# Altium PCB board.PcbDoc (part 2 of 2)
Units mm, origin at the board's own origin, x right, y up, seen from the top; angles counter-clockwise.
Board outline 41.15 x 167 mm, 2 copper layers (Top Layer, Bottom Layer), stack 1.66 mm thick; 155 components, 89 nets, 438 pads, 210 vias.
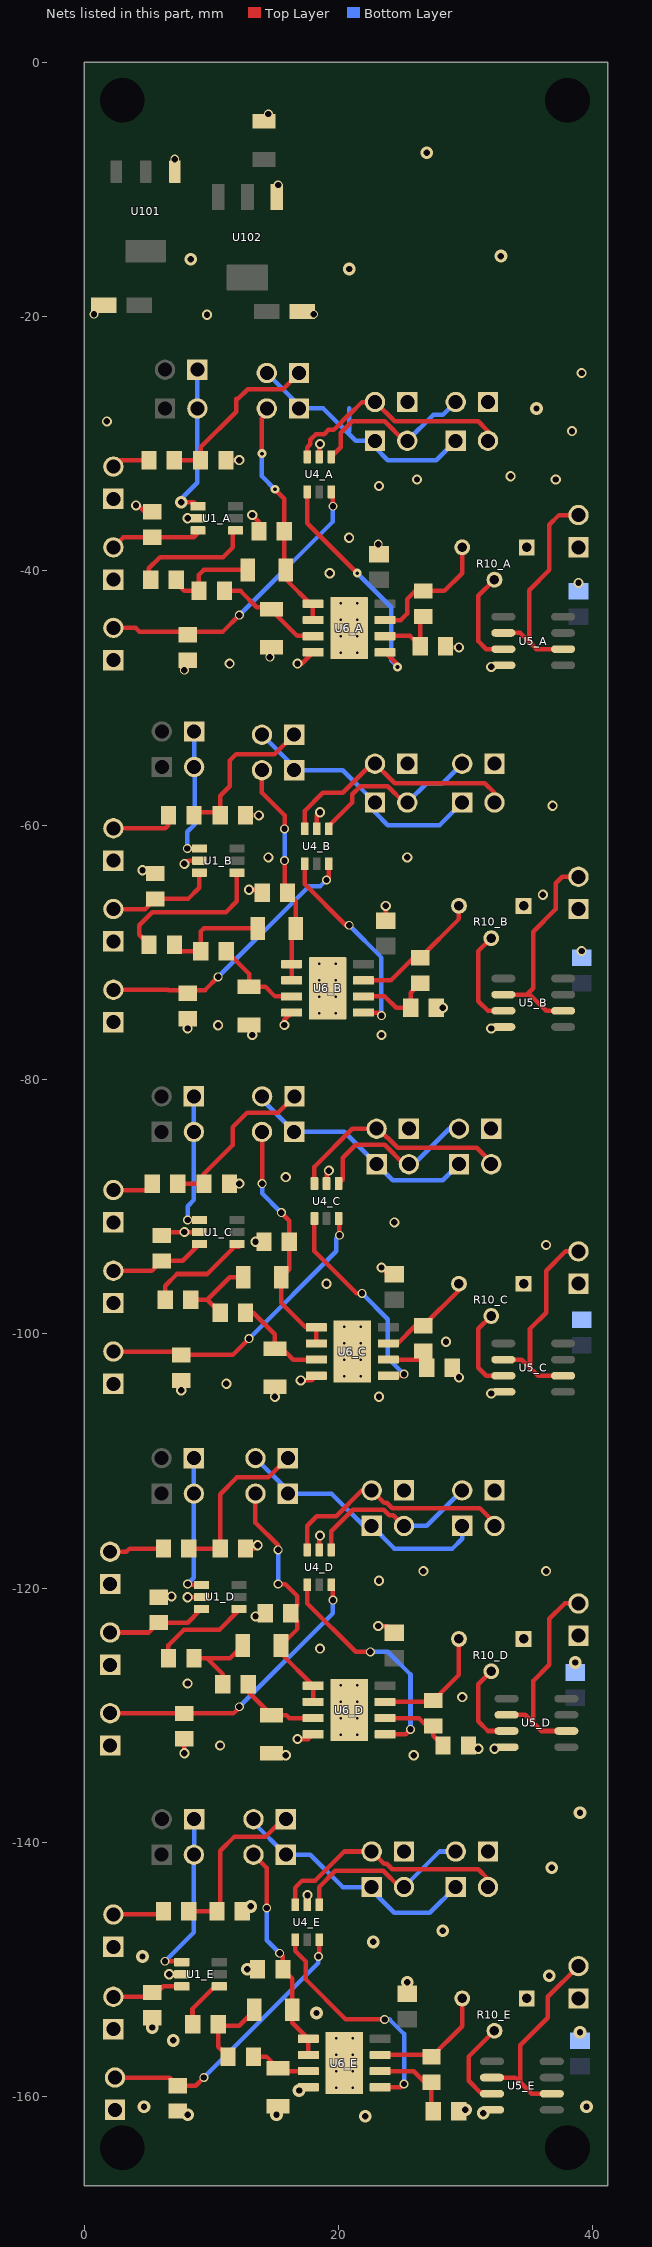
[diagram p2: the nets of this part, all layers, seen from the top]

## Via types
v1: diameter 0.8, hole 0.5, Top Layer to Bottom Layer, 76 vias
v2: diameter 0.7, hole 0.5, Top Layer to Bottom Layer, 38 vias
v3: diameter 1, hole 0.5, Top Layer to Bottom Layer, 28 vias
v4: diameter 1.27, hole 0.711, Top Layer to Bottom Layer, 24 vias
v5: diameter 0.5, hole 0.2, Top Layer to Bottom Layer, 20 vias
v6: diameter 0.5, hole 0.2, Top Layer to Bottom Layer, tented both sides, 20 vias
v7: diameter 0.7, hole 0.3, Top Layer to Bottom Layer, 4 vias

## Nets (pads, with @x,y where several pads share a name; then routed paths per layer and width w, separated by ;. In a path a pad name is that pad's centre, name@x,y a point inside that pad or via, vN(x,y) a via of type N, cw(c..) or ccw(c..) an arc to the next point about the centre after c; other vN are vias at no path point) (continued)
GND: C2_A.1 C2_B.1 C2_C.1 C2_D.1 C2_E.1 C3_A.1 C3_B.1 C3_C.1 C3_D.1 C3_E.1 C4.1 C5.2 C6.2 C7_A.1 C7_B.1 C7_C.1 C7_D.1 C7_E.1 J1_A.1 J1_B.1 J1_C.1 J1_D.1 J1_E.1 J8_A.1 J8_B.1 J8_C.1 J8_D.1 J8_E.1 J_A1.1 J_A2.1 J_A3.1 J_A4.1 J_A5.1 J_B1.1 J_B2.1 J_B3.1 J_B4.1 J_B5.1 J_C1.1 J_C2.1 J_C3.1 J_C4.1 J_C5.1 J_D1.1 J_D2.1 J_D3.1 J_D4.1 J_D5.1 pad.0@3,-3 pad.0@38,-3 R1_A.1 R1_B.1 R1_C.1 R1_D.1 R1_E.1 R2_A.1 R2_B.1 R2_C.1 R2_D.1 R2_E.1 R5_A.1 R5_B.1 R5_C.1 R5_D.1 R5_E.1 R8_A.2 R8_B.2 R8_C.2 R8_D.2 R8_E.2 R9_A.1 R9_B.1 R9_C.1 R9_D.1 R9_E.1 R10_A.1 R10_B.1 R10_C.1 R10_D.1 R10_E.1 U1_A.2 U1_B.2 U1_C.2 U1_D.2 U1_E.2 U4_A.2 U4_B.2 U4_C.2 U4_D.2 U4_E.2 U5_A.4 U5_B.4 U5_C.4 U5_D.4 U5_E.4 U6_A.4 U6_A.9@20.828,-44.498 U6_B.4 U6_B.9@19.131,-72.834 U6_C.4 U6_C.9@21.082,-101.394 U6_D.4 U6_D.9@20.828,-129.588 U6_E.4 U6_E.9@20.447,-157.353 U101.1 U102.1 | length 42.3
  Top Layer w0.356: v2(0.762,-19.812) 0.762,-19.86 C6.2@1.524,-19.098 ; v1(4.064,-34.846) 4.252,-34.846 4.76,-35.354 R1_A.1@5.334,-35.354 ; v1(4.572,-63.548) 5.334,-63.548 R1_B.1@5.588,-63.802 ; R1_D.1@5.842,-120.714 6.287,-120.269 6.668,-120.65 v1(6.858,-120.65) ; R1_C.1@6.096,-92.266 6.366,-91.996 v1(7.874,-91.996) U1_C.2@9.052,-91.996 ; v1(6.68,-150.368) U1_E.2@7.669,-150.368 ; v2(7.112,-7.62) 7.112,-8.593 U101.1@7.126,-8.607 ; R8_A.2@7.62,-47.022 7.62,-47.546 v2(7.874,-47.8) ; v1(7.874,-132.993) R8_D.2@7.874,-131.858 ; v1(7.874,-63.04) 8.128,-62.786 U1_B.2@9.052,-62.786 ; v1(8.128,-120.714) 9.193,-120.714 U1_D.2@9.209,-120.698 ; v1(8.128,-75.994) R8_B.2@8.128,-75.216 ; v1(8.128,-35.862) U1_A.2@9.139,-35.862 ; R9_A.1@11.144,-31.29 v1(12.192,-31.29) ; R9_D.1@12.684,-116.888 13.373,-116.888 v1(13.627,-116.634) ; R9_B.1@12.684,-59.23 v1(13.732,-59.23) ; C2_B.1@12.954,-75.716 13.208,-75.97 v1(13.208,-76.502) ; v1(12.954,-65.072) 13.732,-65.072 R2_B.1@13.986,-65.326 ; v1(13.208,-35.608) 13.732,-36.132 R2_A.1@13.732,-36.878 ; v1(13.462,-92.758) R2_C.1@14.127,-92.758 ; v2(14.589,-46.784) 14.589,-46.157 C2_A.1@14.732,-46.014 ; v1(14.986,-104.95) C2_C.1@14.986,-104.164 ; v1(15.732,-75.716) 15.732,-75.313 U6_B.4@16.306,-74.739 ; v1(16.764,-131.874) 17.622,-131.874 U6_D.4@18.003,-131.493 ; v1(16.764,-47.292) 17.114,-47.292 U6_A.4@18.003,-46.403 ; v1(17.018,-103.664) 17.892,-103.664 U6_C.4@18.257,-103.299 ; C5.2@17.145,-19.606 17.351,-19.812 v2(18.034,-19.812) ; U4_B.2@18.288,-60.29 18.288,-59.23 v1(18.542,-58.976) ; U4_D.2@18.481,-116.998 18.481,-115.933 v1(18.542,-115.872) ; U4_A.2@18.481,-31.036 18.481,-30.081 v1(18.542,-30.02) ; U4_C.2@19.05,-88.186 19.05,-87.358 v1(19.238,-87.17) ; v1(23.114,-122.984) 23.86,-122.984 C3_D.1@24.384,-123.508 ; v2(23.114,-37.894) 23.178,-37.958 C3_A.1@23.178,-38.688 ; v1(23.368,-94.79) 23.892,-95.314 C3_C.1@24.384,-95.314 ; C3_B.1@23.703,-67.5 v1(23.703,-66.342) ; R5_A.1@28.416,-45.914 28.516,-46.014 v1(29.464,-46.014)
  other v1: 17.551,-144.145 15.845,-133.144 25.908,-133.144 30.988,-132.636 32.258,-132.636 10.684,-132.382 29.718,-128.572 8.128,-127.508 18.542,-124.762 13.462,-122.222 23.178,-119.428 26.67,-118.666 36.322,-118.666 23.178,-104.95 32.004,-104.696 7.62,-104.442 11.176,-103.934 29.464,-103.426 28.448,-100.632 19.05,-96.06 36.322,-93.012 24.384,-91.234 12.192,-88.186 15.845,-87.678 23.368,-76.502 32.004,-75.994 10.527,-75.74 28.194,-74.358 39.116,-69.898 36.068,-65.47 14.478,-62.532 25.4,-62.532 36.83,-58.468 32.004,-47.546 11.43,-47.292 38.862,-40.942 19.304,-40.18 20.828,-37.386 23.178,-33.322 26.162,-32.814 37.084,-32.814 33.528,-32.56 38.354,-29.004 1.778,-28.242 39.116,-24.432 9.652,-19.86
  other v2: 15.24,-9.652 14.478,-4.064
  other v3: 22.098,-161.544 8.128,-161.417 15.113,-161.417 31.369,-161.29 29.972,-161.036 4.699,-160.782 39.497,-160.782 16.891,-159.512 6.985,-155.575 38.989,-154.94 5.35,-154.559 18.257,-153.416 25.4,-151.003 36.576,-150.495 12.827,-149.987 4.572,-148.971 22.733,-147.828 28.194,-146.939 13.081,-145.034 36.767,-141.986 38.989,-137.668 38.608,-125.857 35.56,-27.226 20.828,-16.256 8.382,-15.494 32.766,-15.24 26.924,-7.112
  other v5: 19.797,-158.003 21.097,-158.003 19.797,-156.703 21.097,-156.703 20.178,-130.238 21.478,-130.238 20.178,-128.938 21.478,-128.938 20.432,-102.044 21.732,-102.044 20.432,-100.744 21.732,-100.744 18.481,-73.484 19.781,-73.484 18.481,-72.184 19.781,-72.184 20.178,-45.148 21.478,-45.148 20.178,-43.848 21.478,-43.848
  other v6: 19.797,-159.303 21.097,-159.303 19.797,-155.403 21.097,-155.403 20.178,-131.538 21.478,-131.538 20.178,-127.638 21.478,-127.638 20.432,-103.344 21.732,-103.344 20.432,-99.444 21.732,-99.444 18.481,-74.784 19.781,-74.784 18.481,-70.884 19.781,-70.884 20.178,-46.448 21.478,-46.448 20.178,-42.548 21.478,-42.548
NetC1_A_1: C1_A.1 R3_A.1 R4_A.2 | length 7.5
  Top Layer w0.356: R3_A.1@7.191,-40.91 7.858,-41.577 R4_A.2@9.017,-41.577 9.017,-40.307 9.398,-39.926 C1_A.1@12.945,-39.926
NetC1_A_2: C1_A.2 J4_A.2 R2_A.2 U6_A.1 U6_A.2 | length 18.6
  Top Layer w0.356: v7(13.97,-30.782) 13.97,-27.988 14.351,-27.607 J4_A.2@14.351,-27.226 ; v7(14.986,-33.576) 15.732,-34.322 R2_A.2@15.732,-36.878 15.732,-39.913 15.745,-39.926 15.745,-40.558 U6_A.1@17.97,-42.783 ; U6_A.2@17.97,-43.847 U6_A.1@17.97,-42.783 ; U6_A.1@17.97,-42.577 U6_A.1@17.97,-42.783
  Bottom Layer w0.356: v7(13.97,-30.782) 13.97,-32.56 v7(14.986,-33.576)
NetC1_B_1: C1_B.1 R3_B.1 R4_B.2 | length 8.4
  Top Layer w0.356: R3_B.1@7.096,-69.39 7.604,-69.898 R4_B.2@9.16,-69.898 9.16,-68.358 9.398,-68.12 C1_B.1@13.627,-68.12
NetC1_B_2: C1_B.2 J4_B.2 R2_B.2 U6_B.1 U6_B.2 | length 17.8
  Top Layer w0.356: J4_B.2@13.97,-55.674 13.97,-57.452 15.748,-59.23 v2(15.748,-60.29) ; v2(15.748,-62.786) 15.748,-65.088 R2_B.2@15.986,-65.326 16.627,-65.967 C1_B.2@16.627,-68.12 16.306,-68.441 U6_B.1@16.306,-70.929 U6_B.2@16.306,-72.199
  Bottom Layer w0.356: v2(15.748,-62.786) v2(15.748,-60.29)
NetC1_C_1: C1_C.1 R3_C.1 R4_C.2 | length 6.3
  Top Layer w0.356: R3_C.1@8.366,-97.33 9.668,-97.33 ; R4_C.2@10.684,-98.346 9.668,-97.33 ; C1_C.1@12.486,-95.552 11.446,-95.552 9.668,-97.33
NetC1_C_2: C1_C.2 J4_C.2 R2_C.2 U6_C.1 U6_C.2 | length 19.4
  Top Layer w0.356: J4_C.2@13.97,-84.122 13.986,-84.138 v2(13.986,-88.186) ; v2(15.494,-90.472) 16.127,-91.105 R2_C.2@16.127,-92.758 16.127,-94.911 C1_C.2@15.486,-95.552 15.486,-97.576 17.399,-99.489 U6_C.1@18.257,-99.489 U6_C.2@18.257,-100.759
  Bottom Layer w0.356: v2(13.986,-88.186) 13.986,-88.964 v2(15.494,-90.472)
NetC1_D_1: C1_D.1 R3_D.1 R4_D.2 | length 6.8
  Top Layer w0.356: R3_D.1@8.62,-125.524 9.652,-125.524 ; R4_D.2@10.889,-127.556 10.889,-126.761 9.652,-125.524 ; C1_D.1@12.47,-124.508 11.454,-125.524 9.652,-125.524
NetC1_D_2: C1_D.2 J4_D.2 R2_D.2 U6_D.1 U6_D.2 | length 20.2
  Top Layer w0.356: J4_D.2@13.462,-112.57 13.462,-114.856 15.24,-116.634 v2(15.24,-116.998) ; v2(15.24,-119.682) 15.798,-119.682 16.764,-120.648 16.764,-121.331 16.127,-121.968 16.764,-122.605 16.764,-123.214 C1_D.2@15.47,-124.508 15.47,-125.15 U6_D.1@18.003,-127.683 U6_D.2@18.003,-128.953
  Bottom Layer w0.356: v2(15.24,-119.682) v2(15.24,-116.998)
NetC1_E_1: C1_E.1 R3_E.1 R4_E.2 | length 6
  Top Layer w0.356: R3_E.1@10.525,-154.305 10.525,-156.067 R4_E.2@11.303,-156.845 ; 11.16,-154.432 12.192,-154.432 C1_E.1@13.716,-152.908
NetC1_E_2: C1_E.2 J4_E.2 R2_E.2 U6_E.1 U6_E.2 | length 17.5
  Top Layer w0.356: J4_E.2@13.305,-140.97 14.345,-142.01 v2(14.345,-145.161) ; v2(15.367,-148.717) 15.621,-148.971 R2_E.2@15.621,-149.987 16.359,-150.725 C1_E.2@16.359,-153.162 16.359,-154.185 U6_E.1@17.622,-155.448 U6_E.2@17.622,-156.718
  Bottom Layer w0.356: v2(14.345,-145.161) 14.345,-147.695 v2(15.367,-148.717)
NetC2_A_2: C2_A.2 R4_A.1 U6_A.3 | length 9.7
  Top Layer w0.356: R4_A.1@11.017,-41.577 12.287,-41.577 13.573,-42.863 14.732,-42.863 C2_A.2@15.367,-43.498 ; C2_A.2@14.732,-43.114 16.735,-45.117 U6_A.3@18.478,-45.117
NetC2_B_2: C2_B.2 R4_B.1 U6_B.3 | length 7.2
  Top Layer w0.356: R4_B.1@11.16,-69.898 12.954,-71.692 C2_B.2@12.954,-72.716 14.248,-72.716 15.001,-73.469 U6_B.3@16.306,-73.469
NetC2_C_2: C2_C.2 R4_C.1 U6_C.3 | length 7.9
  Top Layer w0.356: R4_C.1@12.684,-98.346 13.285,-98.346 14.986,-100.047 C2_C.2@14.986,-101.164 14.986,-101.418 15.822,-101.418 16.433,-102.029 U6_C.3@18.257,-102.029
NetC2_D_2: C2_D.2 R4_D.1 U6_D.3 | length 6.6
  Top Layer w0.356: R4_D.1@12.889,-127.556 12.889,-128.15 C2_D.2@14.732,-129.993 15.897,-129.993 16.127,-130.223 U6_D.3@18.003,-130.223
NetC2_E_2: C2_E.2 R4_E.1 U6_E.3 | length 4.8
  Top Layer w0.356: R4_E.1@13.303,-156.845 14.327,-156.845 C2_E.2@15.24,-157.758 15.47,-157.988 U6_E.3@17.622,-157.988
NetJ1_A_2: J1_A.2 J7_A.2 U4_A.3 | length 18.4
  Top Layer w0.356: U4_A.3@17.531,-31.036 17.526,-31.031 17.526,-30.274 17.761,-30.039 17.761,-29.697 18.219,-29.239 18.865,-29.239 19.19,-28.915 19.619,-28.915 20.851,-27.683 20.874,-27.683 21.839,-26.718 J1_A.2@22.86,-26.718 22.888,-26.718 24.412,-28.242 30.988,-28.242 31.75,-29.004 J7_A.2@31.75,-29.766
NetJ1_B_2: J1_B.2 J7_B.2 U4_B.3 | length 19.6
  Top Layer w0.356: U4_B.3@17.338,-60.29 17.338,-58.879 18.765,-57.452 20.32,-57.452 22.606,-55.166 J1_B.2@22.86,-55.166 23.571,-55.877 23.599,-55.877 24.412,-56.69 31.496,-56.69 32.258,-57.452 J7_B.2@32.258,-58.214
NetJ1_C_2: J1_C.2 J7_C.2 U4_C.3 | length 17.7
  Top Layer w0.356: U4_C.3@18.1,-88.186 18.1,-86.85 21.082,-83.868 J1_C.2@22.987,-83.868 23.114,-83.868 23.825,-84.579 23.853,-84.579 24.652,-85.378 30.875,-85.378 32.004,-86.507 J7_C.2@32.004,-86.662
NetJ1_D_2: J1_D.2 J7_D.2 U4_D.3 | length 19.1
  Top Layer w0.356: U4_D.3@17.531,-116.998 17.531,-115.11 18.293,-114.348 19.812,-114.348 21.844,-112.316 J1_D.2@22.606,-112.316 23.571,-113.281 23.777,-113.281 24.209,-113.713 31.115,-113.713 32.258,-114.856 J7_D.2@32.258,-115.11
NetJ1_E_2: J1_E.2 J7_E.2 U4_E.3 | length 19.2
  Top Layer w0.356: U4_E.3@16.576,-144.907 16.576,-143.571 17.145,-143.002 18.161,-143.002 20.447,-140.716 J1_E.2@22.606,-140.716 23.571,-141.681 23.8,-141.681 24.232,-142.113 30.988,-142.113 31.75,-142.875 J7_E.2@31.75,-143.51
NetJ2_A_1: J2_A.1 J4_A.1 J6_A.2 J7_A.1 | length 20.6
  Bottom Layer w0.356: J6_A.2@14.351,-24.432 16.891,-26.972 J4_A.1@16.891,-27.226 18.796,-27.226 21.336,-29.766 J2_A.1@22.86,-29.766 22.86,-30.274 23.876,-31.29 27.686,-31.29 J7_A.1@29.21,-29.766 ; 20.828,-29.004 20.828,-27.226
NetJ2_A_2: J2_A.2 J8_A.2 U4_A.1 | length 13.5
  Top Layer w0.356: U4_A.1@19.431,-31.036 19.431,-31.021 20.178,-30.274 20.178,-29.146 21.082,-28.242 23.622,-28.242 25.146,-29.766 J2_A.2@25.4,-29.766
  Bottom Layer w0.356: J2_A.2@25.4,-29.766 27.432,-27.734 28.194,-27.734 J8_A.2@29.21,-26.718
NetJ2_B_1: J2_B.1 J4_B.1 J6_B.2 J7_B.1 | length 20
  Bottom Layer w0.356: J6_B.2@13.97,-52.88 16.51,-55.42 J4_B.1@16.51,-55.674 20.32,-55.674 J2_B.1@22.86,-58.214 22.86,-58.976 23.876,-59.992 27.94,-59.992 J7_B.1@29.718,-58.214
NetJ2_B_2: J2_B.2 J8_B.2 U4_B.1 | length 14.2
  Top Layer w0.356: U4_B.1@19.238,-60.29 19.238,-60.058 21.082,-58.214 21.082,-57.579 21.717,-56.944 23.876,-56.944 25.146,-58.214 J2_B.2@25.4,-58.214
  Bottom Layer w0.356: J2_B.2@25.4,-58.214 26.924,-56.69 28.194,-56.69 J8_B.2@29.718,-55.166
NetJ2_C_1: J2_C.1 J4_C.1 J6_C.2 J7_C.1 | length 18.9
  Bottom Layer w0.356: J6_C.2@13.986,-81.328 13.986,-81.598 J4_C.1@16.51,-84.122 20.447,-84.122 J2_C.1@22.987,-86.662 24.257,-87.932 28.194,-87.932 J7_C.1@29.464,-86.662
NetJ2_C_2: J2_C.2 J8_C.2 U4_C.1 | length 13.5
  Top Layer w0.356: U4_C.1@20,-88.186 20.32,-87.866 20.32,-86.154 21.336,-85.138 23.622,-85.138 25.146,-86.662 J2_C.2@25.527,-86.662
  Bottom Layer w0.356: J2_C.2@25.527,-86.662 25.908,-86.662 28.702,-83.868 J8_C.2@29.464,-83.868
NetJ2_D_1: J2_D.1 J4_D.1 J6_D.2 J7_D.1 | length 20.7
  Bottom Layer w0.356: J6_D.2@13.462,-109.776 16.002,-112.316 J4_D.1@16.002,-112.57 19.446,-112.57 21.986,-115.11 J2_D.1@22.606,-115.11 24.384,-116.888 28.956,-116.888 29.718,-116.126 J7_D.1@29.718,-115.11
NetJ2_D_2: J2_D.2 J8_D.2 U4_D.1 | length 14.1
  Top Layer w0.356: U4_D.1@19.431,-116.998 19.431,-115.519 21.11,-113.84 23.546,-113.84 23.978,-114.272 24.308,-114.272 J2_D.2@25.146,-115.11
  Bottom Layer w0.356: J2_D.2@25.146,-115.11 26.924,-115.11 J8_D.2@29.718,-112.316
NetJ2_E_1: J2_E.1 J4_E.1 J6_E.2 J7_E.1 | length 20.1
  Bottom Layer w0.356: J6_E.2@13.305,-138.176 13.305,-138.43 J4_E.1@15.845,-140.97 17.78,-140.97 20.32,-143.51 J2_E.1@22.606,-143.51 22.606,-143.764 24.384,-145.542 27.178,-145.542 J7_E.1@29.21,-143.51
NetJ2_E_2: J2_E.2 J8_E.2 U4_E.1 | length 14.3
  Top Layer w0.356: U4_E.1@18.476,-144.907 18.476,-143.51 19.746,-142.24 23.52,-142.24 24.79,-143.51 J2_E.2@25.146,-143.51
  Bottom Layer w0.356: J2_E.2@25.146,-143.51 27.94,-140.716 J8_E.2@29.21,-140.716
NetJ3_A_2: J3_A.2 J5_A.1 U1_A.1 | length 12.8
  Top Layer w0.356: v3(7.62,-34.592) 8.619,-34.592 U1_A.1@8.939,-34.912
  Bottom Layer w0.356: v3(7.62,-34.592) 7.874,-34.592 7.62,-34.338 8.89,-33.068 J3_A.2@8.89,-27.226 J5_A.1@8.89,-24.178
NetJ3_B_2: J3_B.2 J5_B.1 U1_B.1 | length 10.4
  Top Layer w0.356: v2(8.1,-61.836) U1_B.1@9.052,-61.836
  Bottom Layer w0.356: v2(8.1,-61.836) 8.1,-60.528 8.687,-59.941 8.687,-55.471 J3_B.2@8.636,-55.42 J5_B.1@8.636,-52.626
NetJ3_C_2: J3_C.2 J5_C.1 U1_C.1 | length 10.8
  Top Layer w0.356: v2(8.128,-91.046) U1_C.1@9.052,-91.046
  Bottom Layer w0.356: v2(8.128,-91.046) 8.128,-89.964 8.62,-89.472 J3_C.2@8.62,-84.122 J5_C.1@8.62,-81.328
NetJ3_D_2: J3_D.2 J5_D.1 U1_D.1 | length 11.2
  Top Layer w0.356: v2(8.128,-119.682) 8.194,-119.748 U1_D.1@9.209,-119.748
  Bottom Layer w0.356: v2(8.128,-119.682) 8.62,-119.19 J3_D.2@8.62,-112.57 J5_D.1@8.62,-109.776
NetJ3_E_2: J3_E.2 J5_E.1 U1_E.1 | length 13.5
  Top Layer w0.356: v2(6.35,-149.352) 7.603,-149.352 U1_E.1@7.669,-149.418
  Bottom Layer w0.356: v2(6.35,-149.352) 8.62,-147.082 J3_E.2@8.62,-140.97 8.636,-140.954 J5_E.1@8.636,-138.176
NetJ6_A_1: J6_A.1 R7_A.1 R9_A.2 | length 14.4
  Top Layer w0.356: R7_A.1@7.08,-31.29 R9_A.2@9.144,-31.29 9.144,-30.274 11.938,-27.48 11.938,-26.464 12.083,-26.464 12.845,-25.702 15.621,-25.702 J6_A.1@16.891,-24.432 J6_A.1@16.494,-24.035
NetJ6_B_1: J6_B.1 R7_B.1 R9_B.2 | length 12.6
  Top Layer w0.356: R7_B.1@8.62,-58.976 R9_B.2@10.684,-58.976 ; R9_B.2@10.684,-59.23 R9_B.2@10.684,-58.976 ; J6_B.1@16.51,-52.88 14.986,-54.404 11.938,-54.404 11.43,-54.912 11.43,-56.944 10.684,-57.69 R9_B.2@10.684,-58.976
NetJ6_C_1: J6_C.1 R7_C.1 R9_C.2 | length 13.3
  Top Layer w0.356: R7_C.1@7.35,-88.186 R9_C.2@9.414,-88.186 9.414,-87.424 11.684,-85.154 11.684,-83.741 12.827,-82.598 15.256,-82.598 J6_C.1@16.526,-81.328
NetJ6_D_1: J6_D.1 R7_D.1 R9_D.2 | length 13.2
  Top Layer w0.356: R7_D.1@8.223,-116.888 R9_D.2@10.684,-116.888 10.684,-112.618 12.002,-111.3 14.478,-111.3 J6_D.1@16.002,-109.776
NetJ6_E_1: J6_E.1 R7_E.1 R9_E.2 | length 13.3
  Top Layer w0.356: R7_E.1@8.223,-145.415 R9_E.2@10.43,-145.415 10.684,-145.161 10.684,-140.668 11.779,-139.573 14.224,-139.573 15.621,-138.176 J6_E.1@15.845,-138.176
NetJ_A1_2: J_A1.2 R1_A.2 U1_A.3 | length 8
  Top Layer w0.356: J_A1.2@1.651,-38.148 J_A1.2@2.286,-38.148 3.08,-37.354 R1_A.2@5.334,-37.354 8.597,-37.354 U1_A.3@9.139,-36.812
NetJ_A2_2: J_A2.2 R1_B.2 U1_B.3 | length 8.6
  Top Layer w0.356: J_A2.2@2.286,-66.596 4.794,-66.596 R1_B.2@5.588,-65.802 8.16,-65.802 9.052,-64.91 U1_B.3@9.052,-63.736
NetJ_A3_2: J_A3.2 R1_C.2 U1_C.3 | length 7.6
  Top Layer w0.356: J_A3.2@2.286,-95.044 5.318,-95.044 R1_C.2@6.096,-94.266 7.732,-94.266 U1_C.3@9.052,-92.946
NetJ_A4_2: J_A4.2 R1_D.2 U1_D.3 | length 7.9
  Top Layer w0.356: J_A4.2@2.032,-123.492 5.064,-123.492 R1_D.2@5.842,-122.714 8.143,-122.714 U1_D.3@9.209,-121.648
NetJ_A5_2: J_A5.2 R1_E.2 U1_E.3 | length 5.8
  Top Layer w0.356: J_A5.2@2.286,-152.146 5.318,-152.146 5.35,-152.178 6.21,-151.318 U1_E.3@7.669,-151.318
NetJ_B1_2: J_B1.2 U5_A.2 U5_A.6 | length 17.7
  Top Layer w0.356: U5_A.2@32.956,-44.879 34.29,-44.879 34.989,-45.578 ; U5_A.6@37.656,-46.149 35.56,-46.149 34.989,-45.578 ; J_B1.2@38.862,-35.608 37.338,-35.608 36.576,-36.37 36.576,-39.926 34.989,-41.514 34.989,-45.578
NetJ_B2_2: J_B2.2 U5_B.2 U5_B.6 | length 16.9
  Top Layer w0.356: U5_B.2@32.956,-73.327 34.798,-73.327 ; U5_B.6@37.656,-74.597 36.322,-74.597 35.052,-73.327 34.798,-73.327 ; J_B2.2@38.862,-64.056 37.592,-64.056 37.084,-64.564 37.084,-66.596 35.306,-68.374 35.306,-72.819 34.798,-73.327
NetJ_B3_2: J_B3.2 U5_C.2 U5_C.6 | length 16.5
  Top Layer w0.356: U5_C.2@32.956,-102.029 34.417,-102.029 35.052,-102.664 ; U5_C.6@37.656,-103.299 35.687,-103.299 35.052,-102.664 ; J_B3.2@38.862,-93.52 37.846,-93.52 36.322,-95.044 36.322,-98.346 35.052,-99.616 35.052,-102.664
NetJ_B4_2: J_B4.2 U5_D.2 U5_D.6 | length 16.7
  Top Layer w0.356: U5_D.2@33.21,-129.969 34.671,-129.969 35.306,-130.604 ; U5_D.6@37.91,-131.239 35.941,-131.239 35.306,-130.604 ; J_B4.2@38.862,-121.206 37.78,-121.206 36.576,-122.41 36.576,-126.032 35.306,-127.302 35.306,-130.604
NetJ_B5_2: J_B5.2 U5_E.2 U5_E.6 | length 17
  Top Layer w0.356: U5_E.2@32.067,-158.496 33.909,-158.496 34.29,-158.877 ; U5_E.6@37.529,-159.766 U5_E.6@36.767,-159.766 35.179,-159.766 34.29,-158.877 ; J_B5.2@38.862,-149.733 36.449,-152.146 36.449,-153.797 34.29,-155.956 34.29,-158.877
NetJ_C1_2: J_C1.2 R8_A.1 U4_A.6 | length 24
  Top Layer w0.356: J_C1.2@1.651,-44.482 J_C1.2@2.286,-44.482 4.032,-44.482 4.318,-44.768 10.906,-44.768 v2(12.192,-43.482) ; U4_A.6@19.431,-33.786 19.558,-33.913 v2(19.558,-34.912)
  Bottom Layer w0.356: v2(12.192,-43.482) 19.558,-36.116 v2(19.558,-34.912)
NetJ_C2_2: J_C2.2 R8_B.1 U4_B.6 | length 21.7
  Top Layer w0.356: J_C2.2@2.286,-72.946 6.588,-72.946 6.604,-72.962 9.495,-72.962 v2(10.527,-71.93) ; v2(19.05,-64.31) 19.238,-64.122 U4_B.6@19.238,-63.04
  Bottom Layer w0.356: v2(10.527,-71.93) 17.639,-64.818 18.542,-64.818 v2(19.05,-64.31)
NetJ_C3_2: J_C3.2 R8_C.1 U4_C.6 | length 23.7
  Top Layer w0.356: J_C3.2@2.286,-101.394 7.35,-101.394 R8_C.1@7.62,-101.664 11.668,-101.664 v2(12.954,-100.378) ; U4_C.6@20,-90.936 20.066,-91.002 v2(20.066,-92.25)
  Bottom Layer w0.356: v2(12.954,-100.378) 19.812,-93.52 19.812,-92.504 v2(20.066,-92.25)
NetJ_C4_2: J_C4.2 R8_D.1 U4_D.6 | length 23.1
  Top Layer w0.356: J_C4.2@2.032,-129.842 7.858,-129.842 R8_D.1@7.874,-129.858 11.732,-129.858 12.192,-129.398 v2(12.192,-129.334) ; U4_D.6@19.431,-119.748 19.558,-119.875 v2(19.558,-120.952)
  Bottom Layer w0.356: v2(12.192,-129.334) 19.558,-121.968 v2(19.558,-120.952)
NetJ_C5_2: J_C5.2 R8_E.1 U4_E.6 | length 22.1
  Top Layer w0.356: J_C5.2@2.413,-158.496 6.715,-158.496 R8_E.1@7.35,-159.131 8.763,-159.131 v2(9.398,-158.496) ; v2(18.415,-148.971) 18.476,-148.91 U4_E.6@18.476,-147.657
  Bottom Layer w0.356: v2(9.398,-158.496) 18.415,-149.479 v2(18.415,-148.971)
NetJ_D1_2: J_D1.2 R7_A.2 | length 3.6
  Top Layer w0.356: J_D1.2@1.651,-31.798 J_D1.2@2.286,-31.798 2.794,-31.29 R7_A.2@5.08,-31.29
NetJ_D2_2: J_D2.2 R7_B.2 | length 4.4
  Top Layer w0.356: J_D2.2@2.286,-60.246 6.366,-60.246 6.62,-59.992
NetJ_D3_2: J_D3.2 R7_C.2 | length 3.3
  Top Layer w0.356: J_D3.2@2.286,-88.694 4.842,-88.694 R7_C.2@5.35,-88.186
NetJ_D4_2: J_D4.2 R7_D.2 | length 4.3
  Top Layer w0.356: J_D4.2@2.032,-117.142 3.302,-117.142 3.556,-116.888 R7_D.2@6.223,-116.888
NetJ_D5_2: J_D5.2 R7_E.2 | length 4
  Top Layer w0.356: J_D5.2@2.286,-145.669 5.969,-145.669 R7_E.2@6.223,-145.415
NetR3_A_2: R3_A.2 U1_A.4 | length 9.7
  Top Layer w0.356: R3_A.2@5.08,-40.688 5.08,-39.799 5.969,-38.91 10.922,-38.91 11.689,-38.143 11.689,-36.812 U1_A.4@11.872,-36.812
NetR3_B_2: R3_B.2 U1_B.4 | length 12.6
  Top Layer w0.356: R3_B.2@5.096,-69.39 4.318,-68.612 4.318,-67.882 5.35,-66.85 11.144,-66.85 12.002,-65.992 U1_B.4@12.002,-63.736
NetR3_C_2: R3_C.2 U1_C.4 | length 8.5
  Top Layer w0.356: R3_C.2@6.366,-97.33 6.366,-96.221 7.289,-95.298 9.668,-95.298 11.83,-93.136 12.192,-93.136 U1_C.4@12.002,-92.946
NetR3_D_2: R3_D.2 U1_D.4 | length 7.8
  Top Layer w0.356: R3_D.2@6.62,-125.524 6.62,-124.492 7.839,-123.273 10.633,-123.273 12.159,-121.747 U1_D.4@12.159,-121.648
NetR3_E_2: R3_E.2 U1_E.4 | length 4.4
  Top Layer w0.356: R3_E.2@8.906,-154.432 8.509,-154.035 8.509,-153.084 10.275,-151.318 U1_E.4@10.619,-151.318
NetR5_A_2: R5_A.2 R6_A.1 U6_A.6 | length 6
  Top Layer w0.356: U6_A.6@23.178,-45.117 25.619,-45.117 R5_A.2@26.416,-45.914 26.416,-43.831 R6_A.1@26.67,-43.577
NetR5_B_2: R5_B.2 R6_B.1 U6_B.6 | length 6.3
  Top Layer w0.356: U6_B.6@21.956,-73.469 23.637,-73.469 24.526,-74.358 R5_B.2@25.67,-74.358 25.67,-73.168 R6_B.1@26.416,-72.422
NetR5_C_2: R5_C.2 R6_C.1 U6_C.6 | length 2.7
  Top Layer w0.356: U6_C.6@23.907,-102.029 R5_C.2@26.608,-102.029
NetR5_D_2: R5_D.2 R6_D.1 U6_D.6 | length 6.1
  Top Layer w0.356: U6_D.6@23.653,-130.223 26.305,-130.223 27.416,-131.334 R6_D.1@27.432,-131.334 ; R6_D.1@27.432,-130.842 R6_D.1@27.432,-131.334 ; R5_D.2@28.21,-132.382 27.432,-131.604 R6_D.1@27.432,-131.334
NetR5_E_2: R5_E.2 R6_E.1 U6_E.6 | length 6.7
  Top Layer w0.356: U6_E.6@23.272,-157.988 25.908,-157.988 26.781,-158.861 R6_E.1@27.305,-158.861 27.305,-160.988 R5_E.2@27.448,-161.131
NetR6_A_2: R6_A.2 R10_A.3 U6_A.7 | length 10.3
  Top Layer w0.356: U6_A.7@23.653,-43.863 24.892,-43.863 25.4,-43.355 25.4,-42.212 26.035,-41.577 R6_A.2@26.67,-41.577 28.321,-41.577 29.718,-40.18 R10_A.3@29.718,-38.148
NetR6_B_2: R6_B.2 R10_B.3 U6_B.7 | length 10.5
  Top Layer w0.356: U6_B.7@21.956,-72.199 24.115,-72.199 25.892,-70.422 R6_B.2@26.416,-70.422 29.464,-67.374 R10_B.3@29.464,-66.342
NetR6_C_2: R6_C.2 R10_C.3 U6_C.7 | length 7.8
  Top Layer w0.356: U6_C.7@23.907,-100.759 24.638,-100.759 26.035,-99.362 R6_C.2@26.67,-99.362 29.464,-96.568 R10_C.3@29.464,-96.06
NetR6_D_2: R6_D.2 R10_D.3 U6_D.7 | length 9.5
  Top Layer w0.356: U6_D.7@23.653,-128.953 27.321,-128.953 R6_D.2@27.432,-128.842 29.464,-126.81 R10_D.3@29.464,-124
NetR6_E_2: R6_E.2 R10_E.3 U6_E.7 | length 9.7
  Top Layer w0.356: U6_E.7@23.272,-156.718 27.162,-156.718 R6_E.2@27.305,-156.861 29.718,-154.448 R10_E.3@29.718,-152.273
NetR10_A_2: R10_A.2 U5_A.3 | length 7.6
  Top Layer w0.356: R10_A.2@32.258,-40.688 30.988,-41.958 30.988,-45.514 31.623,-46.149 U5_A.3@32.956,-46.149
NetR10_B_2: R10_B.2 U5_B.3 | length 7.7
  Top Layer w0.356: R10_B.2@32.004,-68.882 30.988,-69.898 30.988,-73.835 31.75,-74.597 U5_B.3@32.956,-74.597
NetR10_C_2: R10_C.2 U5_C.3 | length 6.7
  Top Layer w0.356: R10_C.2@32.004,-98.6 30.988,-99.616 30.988,-102.664 31.623,-103.299 U5_C.3@32.956,-103.299
NetR10_D_2: R10_D.2 U5_D.3 | length 6.9
  Top Layer w0.356: R10_D.2@32.004,-126.54 30.988,-127.556 30.988,-130.477 31.75,-131.239 U5_D.3@33.21,-131.239
NetR10_E_2: R10_E.2 U5_E.3 | length 7.8
  Top Layer w0.356: R10_E.2@32.258,-154.813 30.226,-156.845 30.226,-158.75 31.242,-159.766 U5_E.3@32.067,-159.766 U5_E.3@32.829,-159.766
NetU4_A_4: U4_A.4 U6_A.5 | length 18.3
  Top Layer w0.356: U4_A.4@17.531,-33.786 17.531,-36.248 v7(21.463,-40.18) ; U6_A.5@23.653,-46.403 24.638,-47.388 v7(24.638,-47.546)
  Bottom Layer w0.356: v7(21.463,-40.18) 24.13,-42.847 24.13,-47.038 v7(24.638,-47.546)
NetU4_B_4: U4_B.4 U6_B.5 | length 16.1
  Top Layer w0.356: U4_B.4@17.338,-63.04 17.338,-64.63 20.574,-67.866 v2(20.828,-67.866) ; U6_B.5@21.956,-74.739 23.129,-74.739 v2(23.368,-74.978)
  Bottom Layer w0.356: v2(20.828,-67.866) 23.368,-70.406 v2(23.368,-74.978)
NetU4_C_4: U4_C.4 U6_C.5 | length 17
  Top Layer w0.356: U4_C.4@18.1,-90.936 18.1,-93.52 21.402,-96.822 v2(21.844,-96.822) ; U6_C.5@23.907,-103.299 25.273,-103.299 v2(25.146,-103.172)
  Bottom Layer w0.356: v2(21.844,-96.822) 23.876,-98.854 23.876,-101.902 v2(25.146,-103.172)
NetU4_D_4: U4_D.4 U6_D.5 | length 18.4
  Top Layer w0.356: U4_D.4@17.531,-119.748 17.531,-121.211 21.336,-125.016 v2(22.495,-125.016) ; U6_D.5@23.653,-131.493 25.273,-131.493 v2(25.654,-131.112)
  Bottom Layer w0.356: v2(22.495,-125.016) 23.876,-125.016 25.654,-126.794 v2(25.654,-131.112)
NetU4_E_4: U4_E.4 U6_E.5 | length 18.9
  Top Layer w0.356: U4_E.4@16.576,-147.657 16.576,-148.529 17.399,-149.352 17.399,-150.749 20.574,-153.924 v2(23.622,-153.924) ; U6_E.5@23.272,-159.258 24.892,-159.258 v2(25.146,-159.004)
  Bottom Layer w0.356: v2(23.622,-153.924) 24.003,-153.924 25.146,-155.067 v2(25.146,-159.004)
pads on no net: U5_A.1 U5_A.5 U5_A.8 U5_B.1 U5_B.5 U5_B.8 U5_C.1 U5_C.5 U5_C.8 U5_D.1 U5_D.5 U5_D.8 U5_E.1 U5_E.5 U5_E.8 U6_A.9@20.828,-44.498 U6_B.9@19.131,-72.834 U6_C.9@21.082,-101.394 U6_D.9@20.828,-129.588 U6_E.9@20.447,-157.353

## Polygon pours and split planes (outlines as drawn)
GND on Top Layer "Top Layer-No Net" (solid, remove dead copper, pour order 4): 0,-167 0,0 41.148,0 41.148,-167
GND on Bottom Layer "Top Layer-No Net1" (solid, remove dead copper, pour order 5): 0,-167 0,0 41.148,0 41.148,-167

## Silkscreen, mask and mechanical layers (free items; w line width, h text height)
Top Overlay:
  lines w0.2: 1.524,-136.446 33.782,-136.446 ; 1.524,-107.998 33.782,-107.998 ; 1.778,-79.55 34.036,-79.55 ; 1.778,-51.102 34.036,-51.102 ; 1.778,-22.654 34.036,-22.654 ; 26.941,-145.336 26.941,-136.446 ; 26.941,-116.888 26.941,-107.998 ; 27.195,-88.44 27.195,-79.55 ; 27.195,-59.992 27.195,-51.102 ; 27.195,-31.544 27.195,-22.654
  lines w0.5: 0.254,-142.796 20.591,-142.796 ; 0.254,-137.589 2.921,-134.922 32.258,-134.922 40.64,-143.304 40.64,-162.433 0.271,-162.433 0.271,-137.777 ; 0.254,-114.348 20.591,-114.348 ; 0.254,-109.141 2.921,-106.474 32.258,-106.474 40.64,-114.856 40.64,-134.16 0.271,-134.16 ; 0.271,-133.95 0.271,-109.329 ; 0.508,-85.9 20.845,-85.9 ; 0.508,-80.693 3.175,-78.026 32.512,-78.026 40.64,-86.154 40.64,-105.712 0.525,-105.712 ; 0.508,-57.452 20.845,-57.452 ; 0.508,-52.245 3.175,-49.578 32.512,-49.578 40.894,-57.96 40.894,-77.264 0.525,-77.264 ; 0.508,-29.004 20.845,-29.004 ; 0.508,-23.797 3.175,-21.13 32.512,-21.13 40.894,-29.512 40.894,-48.816 0.525,-48.816 ; 0.525,-105.502 0.525,-80.881 ; 0.525,-77.054 0.525,-52.433 ; 0.525,-48.606 0.525,-23.985 ; 10.431,-142.796 10.431,-134.922 ; 10.431,-114.348 10.431,-106.474 ; 10.685,-85.9 10.685,-78.026 ; 10.685,-57.452 10.685,-49.578 ; 10.685,-29.004 10.685,-21.13 ; 20.811,-145.336 20.811,-134.922 ; 20.811,-116.888 20.811,-106.474 ; 20.828,-145.319 40.64,-145.319 ; 20.828,-116.871 40.64,-116.871 ; 21.065,-88.44 21.065,-78.026 ; 21.065,-59.992 21.065,-49.578 ; 21.065,-31.544 21.065,-21.13 ; 21.082,-88.423 40.64,-88.423 ; 21.082,-59.975 40.64,-59.975 ; 21.082,-31.527 40.894,-31.527
  text "+" at 15.748,-4.239 h2
  text "PWM input" at 3.302,-22.4 h0.8
  text "IN ?" at 14.081,-22.4 h0.8
  text "enable Signal?" at 21.844,-22.4 h0.8
  text "high" at 21.844,-23.924 h0.8
  text "low" at 28.956,-23.924 h0.8
  text "DAQ" at 18.542,-24.432 h0.8
  text "3.3V" at 1.524,-25.194 h0.8
  text "active" at 21.844,-25.194 h0.8
  text "active" at 28.956,-25.194 h0.8
  text "5V" at 2.286,-27.48 h0.8
  text "PWM" at 18.481,-27.48 h0.8
  text "DAQ in" at 1.016,-30.274 h0.8
  text "out" at 37.846,-33.83 h0.8
  text "PWM in" at 1.016,-36.624 h0.8
  text "enable in" at 1.016,-42.974 h0.8
  text "PWM input" at 3.302,-50.848 h0.8
  text "IN ?" at 14.081,-50.848 h0.8
  text "enable Signal?" at 21.844,-50.848 h0.8
  text "high" at 21.844,-52.372 h0.8
  text "low" at 28.956,-52.372 h0.8
  text "DAQ" at 18.257,-53.134 h0.8
  text "3.3V" at 1.016,-53.642 h0.8
  text "active" at 21.844,-53.642 h0.8
  text "active" at 28.956,-53.642 h0.8
  text "5V" at 1.778,-55.928 h0.8
  text "PWM" at 18.257,-55.928 h0.8
  text "DAQ in" at 1.016,-58.722 h0.8
  text "out" at 37.656,-62.532 h0.8
  text "PWM in" at 1.016,-65.072 h0.8
  text "enable in" at 1.016,-71.422 h0.8
  text "PWM input" at 3.302,-79.296 h0.8
  text "IN ?" at 14.081,-79.296 h0.8
  text "enable Signal?" at 21.844,-79.296 h0.8
  text "high" at 21.844,-80.82 h0.8
  text "low" at 28.956,-80.82 h0.8
  text "DAQ" at 18.288,-81.582 h0.8
  text "3.3V" at 1.524,-82.09 h0.8
  text "active" at 21.844,-82.09 h0.8
  text "active" at 28.956,-82.09 h0.8
  text "5V" at 2.286,-84.376 h0.8
  text "PWM" at 18.288,-84.376 h0.8
  text "DAQ in" at 1.016,-87.17 h0.8
  text "out" at 37.846,-91.742 h0.8
  text "PWM in" at 1.016,-93.52 h0.8
  text "enable in" at 1.016,-99.87 h0.8
  text "PWM input" at 3.048,-107.744 h0.8
  text "IN ?" at 13.827,-107.744 h0.8
  text "enable Signal?" at 21.59,-107.744 h0.8
  text "high" at 21.59,-109.268 h0.8
  text "low" at 28.702,-109.268 h0.8
  text "DAQ" at 17.78,-110.284 h0.8
  text "3.3V" at 1.27,-110.538 h0.8
  text "active" at 21.59,-110.538 h0.8
  text "active" at 28.702,-110.538 h0.8
  text "5V" at 2.032,-112.824 h0.8
  text "PWM" at 17.78,-113.332 h0.8
  text "DAQ in" at 0.762,-115.618 h0.8
  text "out" at 38.1,-119.428 h0.8
  text "PWM in" at 0.762,-121.968 h0.8
  text "enable in" at 0.762,-128.318 h0.8
  text "PWM input" at 3.048,-136.192 h0.8
  text "IN ?" at 13.827,-136.192 h0.8
  text "enable Signal?" at 21.59,-136.192 h0.8
  text "high" at 21.59,-137.716 h0.8
  text "low" at 28.702,-137.716 h0.8
  text "DAQ" at 17.78,-138.732 h0.8
  text "3.3V" at 1.27,-138.986 h0.8
  text "active" at 21.59,-138.986 h0.8
  text "active" at 28.702,-138.986 h0.8
  text "5V" at 2.032,-141.272 h0.8
  text "PWM" at 17.78,-141.78 h0.8
  text "DAQ in" at 0.762,-144.066 h0.8
  text "out" at 38.1,-147.876 h0.8
  text "PWM in" at 0.889,-150.622 h0.8
  text "enable in" at 0.762,-156.972 h0.8
M1_BoardOutline:
  the board outline again, w0.254
M12_titleBlock:
  lines w0.127: -69.874,-183.677 -69.874,9.363 ; -69.874,-135.417 -64.794,-135.417 ; -69.874,-87.157 -64.794,-87.157 ; -69.874,-38.897 -64.794,-38.897 ; -64.794,-178.597 -64.794,4.283 ; 76.176,-183.677 76.176,-178.597 ; 102.846,-178.597 67.286,-178.597 67.286,-148.117 102.846,-148.117 ; 103.583,-170.977 217.146,-170.977 ; 103.583,-163.357 217.146,-163.357 ; 103.583,-155.737 140.946,-155.737 ; 140.946,-178.597 140.946,-163.357 140.946,-148.117 ; 149.201,-183.677 149.201,-178.597 ; 149.201,4.283 149.201,9.363 ; 194.286,-178.597 194.286,-163.357 ; 217.146,-135.417 222.226,-135.417 ; 217.146,-87.157 222.226,-87.157 ; 217.146,-38.897 222.226,-38.897 ; 217.146,4.283 217.146,-178.597 ; 222.226,-183.677 222.226,9.363 ; 140.946,-148.117 103.583,-148.117 103.583,-178.597 217.146,-178.597 ; 140.946,-148.117 217.146,-148.117 217.146,-178.597
  lines w0.254: 169.94,-147.495 169.94,2.365 ; 169.94,-57.273 215.66,-57.273 215.66,-54.733 215.66,-35.735 ; 169.94,-35.735 215.66,-35.735 ; 169.94,-30.655 215.66,-30.655 215.66,-35.735
  text "1" at -33.628,5.934 h1.78
  text "3" at 112.168,5.934 h1.78
  text "4" at 185.066,5.934 h1.78
  text "A" at -67.969,-17.079 h1.78
  text "A" at 219.051,-17.079 h1.78
  text "Abstand von Frontpanelkante" at 172.48,-23.035 h1.52
  text "links unten zum Nullpunkt:" at 172.48,-25.575 h1.52
  text "13,9mm" at 172.48,-28.115 h1.52
  text "Mechanical Layer Definitionen:" at 172.48,-34.413 h1.52
  text "M1_boardOutline" at 172.48,-38.275 h1.52
  text "M11_text_topL" at 172.48,-42.033 h1.52
  text "M12_titleBlock" at 172.48,-44.573 h1.52
  text "M13_3D_topL" at 172.48,-47.113 h1.52
  text "M14_3D_botL" at 172.48,-49.653 h1.52
  text "M15_courtyard_topL" at 172.48,-51.909 h1.52
  text "M16_courtyard_botL" at 172.48,-54.449 h1.52
  text "B" at -67.969,-65.136 h1.78
  text "B" at 219.051,-65.136 h1.78
  text "C" at -67.969,-113.65 h1.78
  text "C" at 219.051,-113.65 h1.78
  text "ENGINEER:" at 104.116,-150.657 h1.14
  text "TITLE:" at 142.216,-150.657 h1.14
  text "PCB DESIGNER:" at 104.116,-158.15 h1.14
  text "D" at -67.969,-161.656 h1.78
  text "D" at 219.051,-161.656 h1.78
  text "EMBL - European" at 62.308,-164.323 h1.78
  text "DATE:" at 104.116,-165.897 h1.14
  text "PART NO.:" at 142.216,-165.897 h1.14
  text "REV:" at 195.556,-165.897 h1.14
  text "Molecular Biology Laboratory" at 68.658,-166.863 h1.78
  text "Meyerhofstrasse 1" at 68.658,-168.768 h1.78
  text ".Print_Date" at 105.386,-168.945 h1.78
  text "69117 Heidelberg" at 68.658,-171.943 h1.78
  text "FILE NAME:" at 104.116,-173.517 h1.14
  text "DWG NO:" at 142.216,-173.517 h1.14
  text "SCALE:" at 195.556,-173.517 h1.14
  text "Germany" at 68.658,-174.8 h1.78
  text ".PCB_FILE_NAME_NO_PATH" at 105.386,-176.565 h1.78
  text "1" at -33.628,-182.026 h1.78
  text "3" at 112.168,-182.026 h1.78
  text "4" at 185.066,-182.026 h1.78